# Altium PCB uz_mz_adapter.PcbDoc
Units mm, origin at the board's own origin, x right, y up, seen from the top; angles counter-clockwise.
Board outline 140 x 100 mm, 6 copper layers (Top Layer, L02_GND, L03_Sig, L04_Sig, L05_VCC, Bottom Layer), stack 1.538 mm thick; 7 components, 270 nets, 430 pads, 0 vias.
Unrouted connection lines stored in the file: 136.
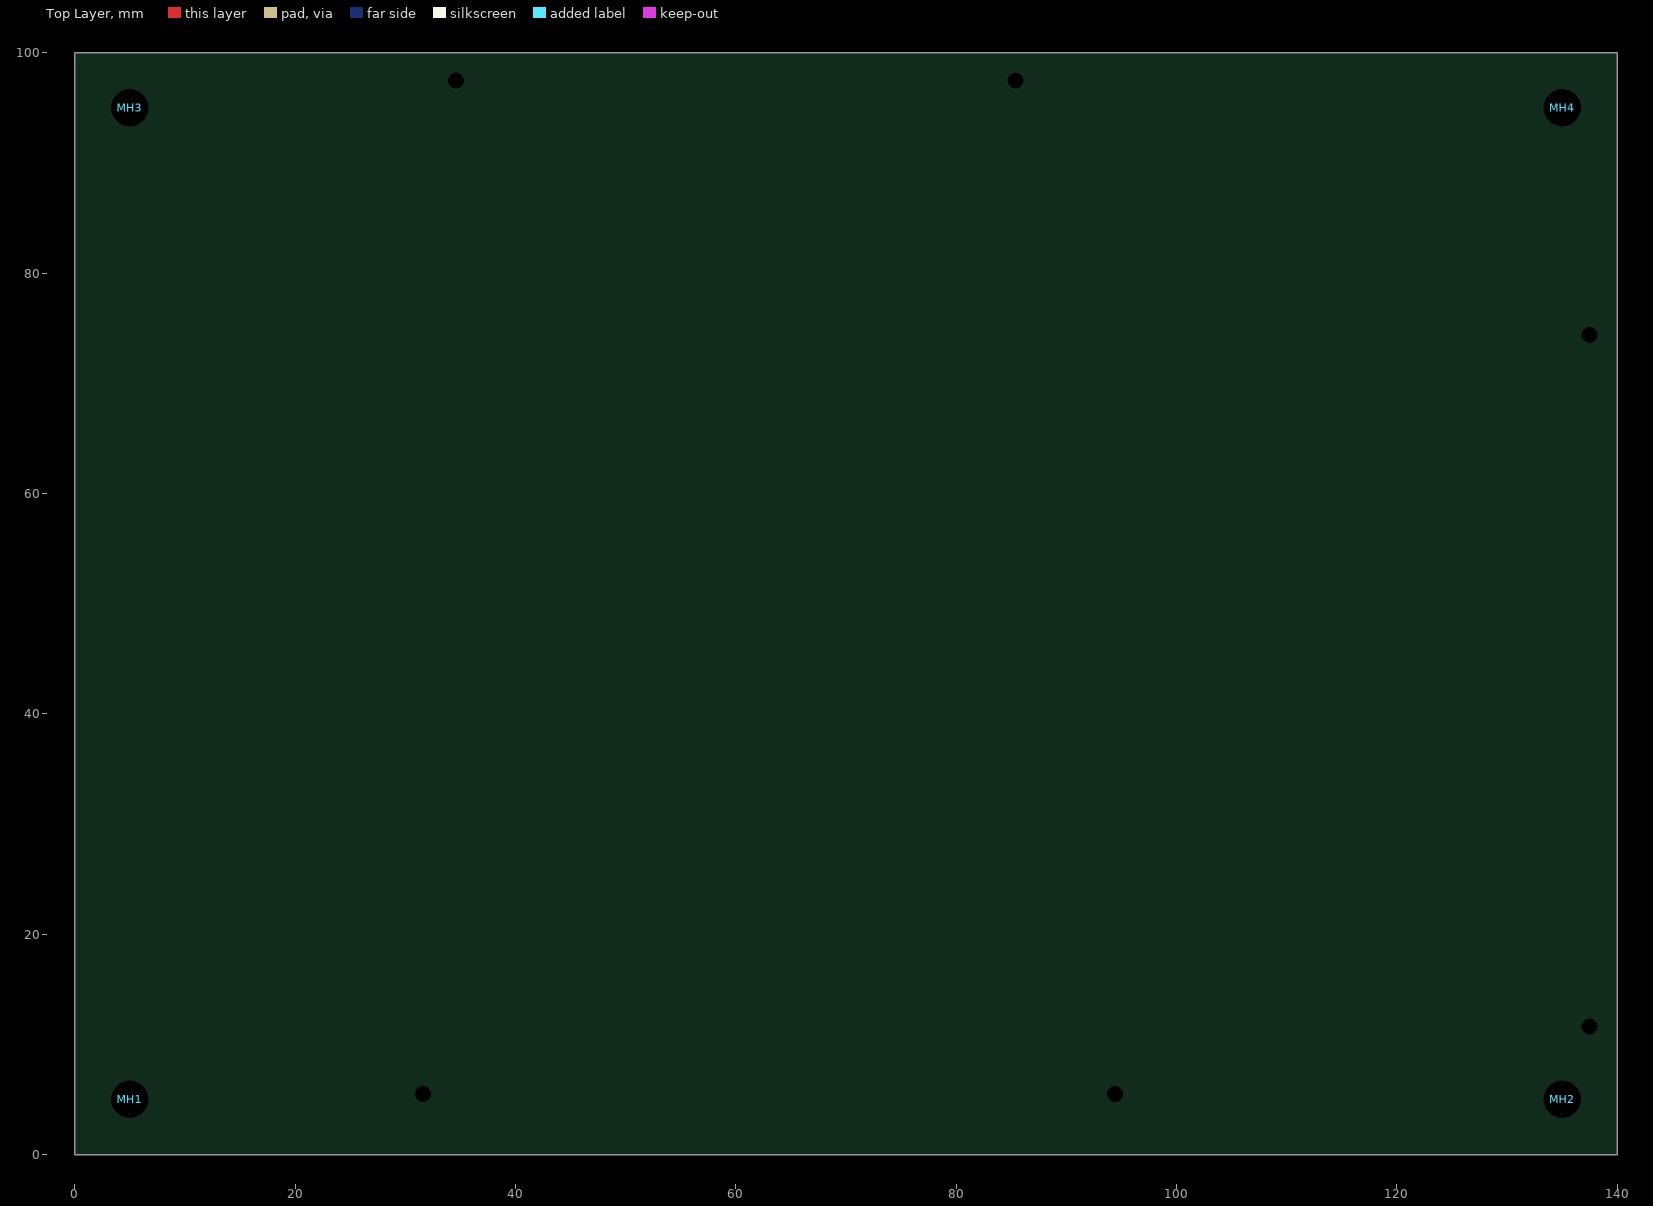
[diagram p0: Top Layer view]
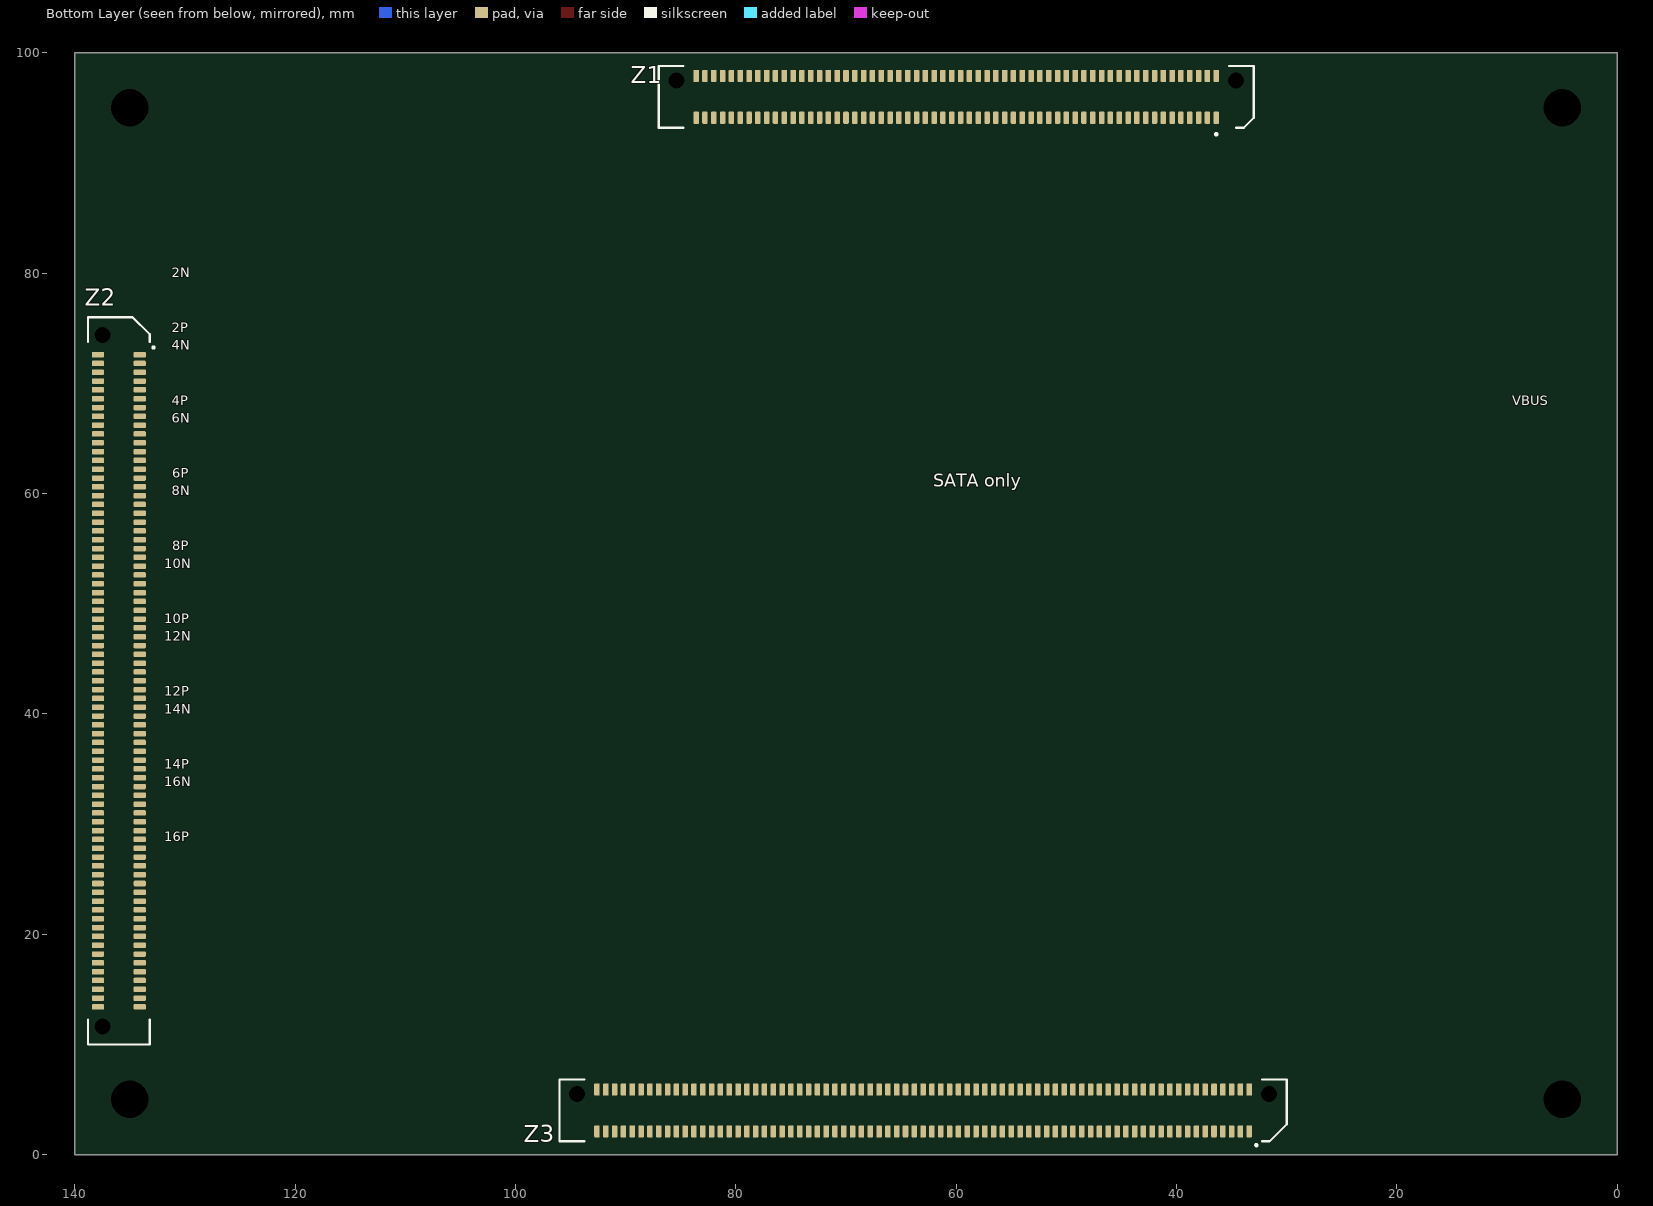
[diagram p1: Bottom Layer view, seen from below]

## Layer stack, top to bottom
Top Solder: solder mask 0.02, Solder Resist, Dk 3.8
Top Layer: signal copper 0.035
Dielectric 1: prepreg 0.0994, FR-4, Dk 4.05
L02_GND: signal copper 0.0152
Dielectric 2: core 0.55, FR-4, Dk 4.5
L03_Sig: signal copper 0.0152
Dielectric 4: prepreg 0.1088, FR-4, Dk 4.25
L04_Sig: signal copper 0.0152
Dielectric 5: core 0.55, FR-4, Dk 4.5
L05_VCC: signal copper 0.0152
Dielectric 3: prepreg 0.0994, FR-4, Dk 4.05
Bottom Layer: signal copper 0.035
Bottom Solder: solder mask 0.02, Solder Resist, Dk 3.8

## Board outline
0,0 140,0 140,100 0,100

## Design rules (kind name [scope] priority, off if disabled: settings)
BoardOutlineClearance BoardOutlineClearance_Silkscreen [OnLayer('Top Overlay')           OR  OnLayer('Bottom Overlay')] p1: gap=0 ignorepadtopadclearanceinfootprint=FALSE
BoardOutlineClearance [All] p2: gap=0.4 ignorepadtopadclearanceinfootprint=FALSE except(0: Arc-SplitContinuation Track-SplitContinuation SMDPad-SplitContinuation THPad-SplitContinuation Via-SplitContinuation Fill-SplitContinuation Poly-SplitContinuation Region-SplitContinuation Text-SplitContinuation)
Clearance Clearance_HS_PADS [All vs IsThruPin and InNetClass('HS')] p1: gap=0.1 ignorepadtopadclearanceinfootprint=FALSE except(0: Arc-Hole Track-Hole SMDPad-Hole THPad-Hole Via-Hole Fill-Hole Poly-Hole Region-Hole Text-Hole; 0.2: Poly-Poly; 0.3: Via-Poly; 0.5: Track-Poly; 0.516: THPad-Poly)
Clearance Clearance_HS_VIA [InNetClass('HS')] p2: gap=0.1 ignorepadtopadclearanceinfootprint=FALSE except(0: Arc-Hole Track-Hole SMDPad-Hole THPad-Hole Fill-Hole Poly-Hole Region-Hole Text-Hole; 0.2: THPad-Poly Poly-Poly; 0.205: Via-Hole; 0.4: Via-Poly; 0.6: Arc-Poly Track-Poly)
Clearance Clearance_Power [OnLayer('L03_Sig') or OnLayer('L05_VCC')] p3: gap=0.1 ignorepadtopadclearanceinfootprint=FALSE except(0: Arc-Hole Track-Hole SMDPad-Hole THPad-Hole Via-Hole Fill-Hole Region-Hole Text-Hole; 0.15: Via-Poly; 0.25: THPad-Poly; 0.3: Fill-Poly Poly-Poly; 0.5: Track-Poly)
Clearance Clearance_D100_VIA [InNetClass('D100')] p4: gap=0.1 ignorepadtopadclearanceinfootprint=FALSE except(0: Arc-Hole Track-Hole SMDPad-Hole THPad-Hole Fill-Hole Poly-Hole Region-Hole Text-Hole; 0.2: Track-Poly SMDPad-Poly THPad-Poly Fill-Poly Poly-Poly Poly-Region; 0.204: Via-Hole)
Clearance [All] p5: gap=0.1 ignorepadtopadclearanceinfootprint=FALSE except(0: Arc-Hole Track-Hole SMDPad-Hole THPad-Hole Via-Hole Fill-Hole Region-Hole Text-Hole; 0.2: Track-Poly SMDPad-Poly THPad-Poly Fill-Poly Poly-Poly Poly-Region)
ComponentClearance ComponentClearance_SSD [HasFootprint('2199230-3') OR HasFootprint('M.2-NGFF-Socket-2242BM')] p1: gap=-0.1 collisioncheckmode=3 verticalgap=-0.1 showdistances=FALSE
ComponentClearance ComponentClearance_Trenz_TOP [InComponentClass('Top Side Components') and not HasFootprint('TP_1mm') vs InComponentClass('Top Side Components') and not HasFootprint('TP_1mm')] p2: gap=0.3 collisioncheckmode=3 verticalgap=-0.1 showdistances=FALSE
ComponentClearance ComponentClearance_Trenz_BOTTOM [InComponentClass('Bottom Side Components') and not HasFootprint('TP_1mm') vs InComponentClass('Bottom Side Components') and not HasFootprint('TP_1mm')] p3: gap=0.3 collisioncheckmode=3 verticalgap=0 showdistances=FALSE
ComponentClearance ComponentClearance_Trenz [All] p4 off: gap=0.3 collisioncheckmode=3 verticalgap=-0.1 showdistances=FALSE
ComponentClearance [All] p5 off: gap=0.1 collisioncheckmode=3 verticalgap=0.1 showdistances=FALSE
DiffPairsRouting DiffPairsRouting_d100 [InNetClass('D100')] p1: maxlimit=0.254 minlimit=0.1 mostfreqgap=0.1 toplayer_minwidth=0.09 toplayer_maxwidth=0.09 toplayer_prefwidth=0.09 midlayer2_minwidth=0.1 midlayer2_maxwidth=0.1 midlayer2_prefwidth=0.1 midlayer3_minwidth=0.1 midlayer3_maxwidth=0.1 midlayer3_prefwidth=0.1 bottomlayer_minwidth=0.09 bottomlayer_maxwidth=0.09 bottomlayer_prefwidth=0.09 impedanceprofiledriven=TRUE impedanceprofileid={550932EC-13A7-4AC9-8D96-622C40202F43} impedanceprofilevalue=100.000000 maxuncoupledlength=12.7
DiffPairsRouting [All] p2: maxlimit=0.254 minlimit=0.1 mostfreqgap=0.1 toplayer_minwidth=0.09 toplayer_maxwidth=0.254 toplayer_prefwidth=0.09 midlayer1_minwidth=0.09 midlayer1_maxwidth=0.254 midlayer1_prefwidth=0.1 midlayer2_minwidth=0.1 midlayer2_maxwidth=0.254 midlayer2_prefwidth=0.1 midlayer3_minwidth=0.1 midlayer3_maxwidth=0.254 midlayer3_prefwidth=0.1 midlayer4_minwidth=0.09 midlayer4_maxwidth=0.254 midlayer4_prefwidth=0.1 bottomlayer_minwidth=0.09 bottomlayer_maxwidth=0.254 bottomlayer_prefwidth=0.09 maxuncoupledlength=20
Height [All] p1: minheight=0 maxheight=50 prefheight=12.7
HoleSize [All] p1: absolutevalues=TRUE maxlimit=6.3 minlimit=0.15 maxpercent=80.000 minpercent=20.000
MatchedLengths [InNetClass('SATA') or InNetClass('HS')] p1: tolerance=0.1 checknetsindiffpair=TRUE checkdiffpairvsdiffpair=FALSE checkxsignals=FALSE checkothers=FALSE
MinimumSolderMaskSliver [All] p1: minsoldermaskwidth=0.1
PolygonConnect "PWR Mosfets" [(InNetClass('PWR') AND HasFootprint('SOIC127P600X175-8N'))] p1: connectstyle=Relief reliefconductorwidth=0.254 reliefentries=4 polygonreliefangle="90 Angle" airgapwidth=0.125
PolygonConnect PWR [InNetClass('PWR')] p2: connectstyle=Direct reliefconductorwidth=0.2 reliefentries=4 polygonreliefangle="90 Angle" airgapwidth=0.25
PolygonConnect PolygonConnect_Therm [HoleSize > 2.6] p3: connectstyle=Direct reliefconductorwidth=0.254 reliefentries=4 polygonreliefangle="90 Angle" airgapwidth=0.254
PolygonConnect PolygonConnect_via [InPadClass('pad') or IsVia] p4: connectstyle=Direct reliefconductorwidth=0.254 reliefentries=4 polygonreliefangle="90 Angle" airgapwidth=0.254
PolygonConnect PolygonConnect_GND [InNet('GND')] p5: thpad.connectstyle=Relief thpad.reliefconductorwidth=0.254 thpad.reliefentries=4 thpad.polygonreliefangle="90 Angle" thpad.airgapwidth=0.254 smdpad.connectstyle=Relief smdpad.reliefconductorwidth=0.254 smdpad.reliefentries=4 smdpad.polygonreliefangle="90 Angle" smdpad.airgapwidth=0.102 via.connectstyle=Direct via.reliefconductorwidth=0.254 via.reliefentries=4 via.polygonreliefangle="90 Angle" via.airgapwidth=0.254
PolygonConnect PolygonConnect_default [All] p6: thpad.connectstyle=Relief thpad.reliefconductorwidth=0.254 thpad.reliefentries=4 thpad.polygonreliefangle="90 Angle" thpad.airgapwidth=0.254 smdpad.connectstyle=Relief smdpad.reliefconductorwidth=0.254 smdpad.reliefentries=4 smdpad.polygonreliefangle="90 Angle" smdpad.airgapwidth=0.102 via.connectstyle=Direct via.reliefconductorwidth=0.254 via.reliefentries=4 via.polygonreliefangle="90 Angle" via.airgapwidth=0.254
ReturnPath ReturnPath_Diff [InNetClass('ADC_OUT_P[1..10]') OR InNetClass('ADC_OUT_N[1..10]') or InNetClass('CLK_Ext_P[1..2]') or InNetClass('CLK_Ext_N[1..2]') or InNetClass('CLK_P[1..10]') OR InNetClass('CLK_N[1..10]') or InNetClass('ExtADC_DataOut_P[1..5]') or InNetClass('ExtADC_DataOut_N[1..5]')] p1 off: impedanceprofileid={A4AA20AD-5FED-4174-92F6-DFDFDA660EC9} _gaplimit=0 _useantipads=TRUE
RoutingVias [All] p1: holewidth=0.15 width=0.25 viastyle="Through Hole" minholewidth=0.15 minwidth=0.25 maxholewidth=0.5 maxwidth=1
SolderMaskExpansion [All] p1 off: expansion=0.102 istentingtop=FALSE
SolderMaskExpansion SolderMaskExpansion_Trenz [All] p2: expansion=0 istentingtop=FALSE
SupplyNets "Schematic Supply Nets_34" [InNet('S3V3_Protected')] p1: voltage=0.000
SupplyNets "Schematic Supply Nets_28" [InNet('3V3_PER_Protected')] p2: voltage=0.000
SupplyNets "Schematic Supply Nets_26" [InNet('V_ResExt')] p3: voltage=0.000
SupplyNets "Schematic Supply Nets_24" [InNet('AGND')] p4: voltage=0.000
SupplyNets "Schematic Supply Nets_11" [InNet('GND')] p5: voltage=0.000
SupplyNets "Schematic Supply Nets_7" [InNet('RSVIN_12V')] p6: voltage=0.000
SupplyNets "Schematic Supply Nets_5" [InNet('VIN_12V')] p7: voltage=0.000
SupplyNets "Schematic Supply Nets_4" [InNet('1V8_PER_Protected')] p8: voltage=0.000
UnRoutedNet [All] p1: checkbadconnections=TRUE
ViasUnderSMD [All] p1: allowed=FALSE
Width width_s75 [InNetClass('S75')] p1: maxlimit=0.254 minlimit=0.1 preferedwidth=0.1 toplayer_maxwidth=0.1 midlayer1_maxwidth=0.1 midlayer2_maxwidth=0.1 bottomlayer_maxwidth=0.1 minimp=50.000000 maximp=50.000000 favimp=50.000000
Width [All] p2: maxlimit=10 minlimit=0.09 preferedwidth=0.1 toplayer_prefwidth=0.15 bottomlayer_prefwidth=0.15 minimp=50.000000 maximp=50.000000 favimp=50.000000
24 further rules are at their usual default settings.

## Classes and differential pairs
net class LS_AIN_CH[0..15]: LS_AIN_CH0 LS_AIN_CH1 LS_AIN_CH2 LS_AIN_CH3 LS_AIN_CH4 LS_AIN_CH5 LS_AIN_CH6 LS_AIN_CH7 LS_AIN_CH8 LS_AIN_CH9 LS_AIN_CH10 LS_AIN_CH11 LS_AIN_CH12 LS_AIN_CH13 LS_AIN_CH14 LS_AIN_CH15
net class I2C_PE_IO_[0..9]: I2C_PE_IO_0 I2C_PE_IO_1 I2C_PE_IO_2 I2C_PE_IO_3 I2C_PE_IO_4 I2C_PE_IO_5 I2C_PE_IO_6 I2C_PE_IO_7 I2C_PE_IO_8 I2C_PE_IO_9
net class EXT_DIO_[0..47]: EXT_DIO_0 EXT_DIO_1 EXT_DIO_2 EXT_DIO_3 EXT_DIO_4 EXT_DIO_5 EXT_DIO_6 EXT_DIO_7 EXT_DIO_8 EXT_DIO_9 EXT_DIO_10 EXT_DIO_11 EXT_DIO_12 EXT_DIO_13 EXT_DIO_14 EXT_DIO_15 EXT_DIO_16 EXT_DIO_17 EXT_DIO_18 EXT_DIO_19 EXT_DIO_20 EXT_DIO_21 EXT_DIO_22 EXT_DIO_23 EXT_DIO_24 EXT_DIO_25 EXT_DIO_26 EXT_DIO_27 EXT_DIO_28 EXT_DIO_29 EXT_DIO_30 EXT_DIO_31 EXT_DIO_32 EXT_DIO_33 EXT_DIO_34 EXT_DIO_35 EXT_DIO_36 EXT_DIO_37 EXT_DIO_38 EXT_DIO_39 EXT_DIO_40 EXT_DIO_41 EXT_DIO_42 EXT_DIO_43 EXT_DIO_44 EXT_DIO_45 EXT_DIO_46 EXT_DIO_47
net class D100: A3_03_N A3_03_P A3_04_N A3_04_P A3_05_N A3_05_P A3_06_N A3_06_P A3_07_N A3_07_P
net class AI_P[1..16]: AI_P1 AI_P2 AI_P3 AI_P4 AI_P5 AI_P6 AI_P7 AI_P8 AI_P9 AI_P10 AI_P11 AI_P12 AI_P13 AI_P14 AI_P15 AI_P16
net class AI_N[1..16]: AI_N1 AI_N2 AI_N3 AI_N4 AI_N5 AI_N6 AI_N7 AI_N8 AI_N9 AI_N10 AI_N11 AI_N12 AI_N13 AI_N14 AI_N15 AI_N16
differential pair A3_07: +A3_07_P -A3_07_N
differential pair A3_06: +A3_06_P -A3_06_N
differential pair A3_05: +A3_05_P -A3_05_N
differential pair A3_04: +A3_04_P -A3_04_N
differential pair A3_03: +A3_03_P -A3_03_N

## Components (designator, comment, footprint, x,y, rotation, side; value= is the part's Value field where it differs from the comment)
MH1 "Mounting Hole M3" MH_3.4 5,5 r90 top value="Mounting Hole"
MH2 "Mounting Hole M3" MH_3.4 135,5 r90 top locked value="Mounting Hole"
MH3 "Mounting Hole M3" MH_3.4 5,95 r90 top locked value="Mounting Hole"
MH4 "Mounting Hole M3" MH_3.4 135,95 r90 top locked value="Mounting Hole"
Z1 "ERM8-060-02.0-L-DV-TR" ERM8-060-02.0-L-DV 60,96 r0 bottom locked
Z2 "ERM8-075-02.0-L-DV-TR" ERM8-075-02.0-L-DV 136,43 r270 bottom
Z3 "ERM8-075-02.0-L-DV-TR" ERM8-075-02.0-L-DV 63,4 r0 bottom

## Footprints (in the part's own frame and the unit in brackets; to place one, negate y for a bottom-side part, rotate by r counter-clockwise, add the part's x,y. Pads: shape width x height; smd on the part's side, far side on the other; paste and mask are expansions set on the pad)
ERM8-060-02.0-L-DV [mm]
  rrect33% 0.5x1.1 smd: 1(-23.6,1.9) 2(-23.6,-1.9) 3(-22.8,1.9) 4(-22.8,-1.9) 5(-22,1.9) 6(-22,-1.9) 7(-21.2,1.9) 8(-21.2,-1.9) 9(-20.4,1.9) 10(-20.4,-1.9) 11(-19.6,1.9) 12(-19.6,-1.9) 13(-18.8,1.9) 14(-18.8,-1.9) 15(-18,1.9) 16(-18,-1.9) 17(-17.2,1.9) 18(-17.2,-1.9) 19(-16.4,1.9) 20(-16.4,-1.9) 21(-15.6,1.9) 22(-15.6,-1.9) 23(-14.8,1.9) 24(-14.8,-1.9) 25(-14,1.9) 26(-14,-1.9) 27(-13.2,1.9) 28(-13.2,-1.9) 29(-12.4,1.9) 30(-12.4,-1.9) 31(-11.6,1.9) 32(-11.6,-1.9) 33(-10.8,1.9) 34(-10.8,-1.9) 35(-10,1.9) 36(-10,-1.9) 37(-9.2,1.9) 38(-9.2,-1.9) 39(-8.4,1.9) 40(-8.4,-1.9) 41(-7.6,1.9) 42(-7.6,-1.9) 43(-6.8,1.9) 44(-6.8,-1.9) 45(-6,1.9) 46(-6,-1.9) 47(-5.2,1.9) 48(-5.2,-1.9) 49(-4.4,1.9) 50(-4.4,-1.9) 51(-3.6,1.9) 52(-3.6,-1.9) 53(-2.8,1.9) 54(-2.8,-1.9) 55(-2,1.9) 56(-2,-1.9) 57(-1.2,1.9) 58(-1.2,-1.9) 59(-0.4,1.9) 60(-0.4,-1.9) 61(0.4,1.9) 62(0.4,-1.9) 63(1.2,1.9) 64(1.2,-1.9) 65(2,1.9) 66(2,-1.9) 67(2.8,1.9) 68(2.8,-1.9) 69(3.6,1.9) 70(3.6,-1.9) 71(4.4,1.9) 72(4.4,-1.9) 73(5.2,1.9) 74(5.2,-1.9) 75(6,1.9) 76(6,-1.9) 77(6.8,1.9) 78(6.8,-1.9) 79(7.6,1.9) 80(7.6,-1.9) 81(8.4,1.9) 82(8.4,-1.9) 83(9.2,1.9) 84(9.2,-1.9) 85(10,1.9) 86(10,-1.9) 87(10.8,1.9) 88(10.8,-1.9) 89(11.6,1.9) 90(11.6,-1.9) 91(12.4,1.9) 92(12.4,-1.9) 93(13.2,1.9) 94(13.2,-1.9) 95(14,1.9) 96(14,-1.9) 97(14.8,1.9) 98(14.8,-1.9) 99(15.6,1.9) 100(15.6,-1.9) 101(16.4,1.9) 102(16.4,-1.9) 103(17.2,1.9) 104(17.2,-1.9) 105(18,1.9) 106(18,-1.9) 107(18.8,1.9) 108(18.8,-1.9) 109(19.6,1.9) 110(19.6,-1.9) 111(20.4,1.9) 112(20.4,-1.9) 113(21.2,1.9) 114(21.2,-1.9) 115(22,1.9) 116(22,-1.9) 117(22.8,1.9) 118(22.8,-1.9) 119(23.6,1.9) 120(23.6,-1.9)
  round 0 hole 1.45 unplated: H1(-25.4,-1.5) H2(25.4,-1.5)
  silkscreen extent -27,-2.8 27,3.5, body extent -27,-2.8 27,2.8, height 5.96
ERM8-075-02.0-L-DV [mm]
  rrect33% 0.5x1.1 smd: 1(-29.6,1.9) 2(-29.6,-1.9) 3(-28.8,1.9) 4(-28.8,-1.9) 5(-28,1.9) 6(-28,-1.9) 7(-27.2,1.9) 8(-27.2,-1.9) 9(-26.4,1.9) 10(-26.4,-1.9) 11(-25.6,1.9) 12(-25.6,-1.9) 13(-24.8,1.9) 14(-24.8,-1.9) 15(-24,1.9) 16(-24,-1.9) 17(-23.2,1.9) 18(-23.2,-1.9) 19(-22.4,1.9) 20(-22.4,-1.9) 21(-21.6,1.9) 22(-21.6,-1.9) 23(-20.8,1.9) 24(-20.8,-1.9) 25(-20,1.9) 26(-20,-1.9) 27(-19.2,1.9) 28(-19.2,-1.9) 29(-18.4,1.9) 30(-18.4,-1.9) 31(-17.6,1.9) 32(-17.6,-1.9) 33(-16.8,1.9) 34(-16.8,-1.9) 35(-16,1.9) 36(-16,-1.9) 37(-15.2,1.9) 38(-15.2,-1.9) 39(-14.4,1.9) 40(-14.4,-1.9) 41(-13.6,1.9) 42(-13.6,-1.9) 43(-12.8,1.9) 44(-12.8,-1.9) 45(-12,1.9) 46(-12,-1.9) 47(-11.2,1.9) 48(-11.2,-1.9) 49(-10.4,1.9) 50(-10.4,-1.9) 51(-9.6,1.9) 52(-9.6,-1.9) 53(-8.8,1.9) 54(-8.8,-1.9) 55(-8,1.9) 56(-8,-1.9) 57(-7.2,1.9) 58(-7.2,-1.9) 59(-6.4,1.9) 60(-6.4,-1.9) 61(-5.6,1.9) 62(-5.6,-1.9) 63(-4.8,1.9) 64(-4.8,-1.9) 65(-4,1.9) 66(-4,-1.9) 67(-3.2,1.9) 68(-3.2,-1.9) 69(-2.4,1.9) 70(-2.4,-1.9) 71(-1.6,1.9) 72(-1.6,-1.9) 73(-0.8,1.9) 74(-0.8,-1.9) 75(0,1.9) 76(0,-1.9) 77(0.8,1.9) 78(0.8,-1.9) 79(1.6,1.9) 80(1.6,-1.9) 81(2.4,1.9) 82(2.4,-1.9) 83(3.2,1.9) 84(3.2,-1.9) 85(4,1.9) 86(4,-1.9) 87(4.8,1.9) 88(4.8,-1.9) 89(5.6,1.9) 90(5.6,-1.9) 91(6.4,1.9) 92(6.4,-1.9) 93(7.2,1.9) 94(7.2,-1.9) 95(8,1.9) 96(8,-1.9) 97(8.8,1.9) 98(8.8,-1.9) 99(9.6,1.9) 100(9.6,-1.9) 101(10.4,1.9) 102(10.4,-1.9) 103(11.2,1.9) 104(11.2,-1.9) 105(12,1.9) 106(12,-1.9) 107(12.8,1.9) 108(12.8,-1.9) 109(13.6,1.9) 110(13.6,-1.9) 111(14.4,1.9) 112(14.4,-1.9) 113(15.2,1.9) 114(15.2,-1.9) 115(16,1.9) 116(16,-1.9) 117(16.8,1.9) 118(16.8,-1.9) 119(17.6,1.9) 120(17.6,-1.9) 121(18.4,1.9) 122(18.4,-1.9) 123(19.2,1.9) 124(19.2,-1.9) 125(20,1.9) 126(20,-1.9) 127(20.8,1.9) 128(20.8,-1.9) 129(21.6,1.9) 130(21.6,-1.9) 131(22.4,1.9) 132(22.4,-1.9) 133(23.2,1.9) 134(23.2,-1.9) 135(24,1.9) 136(24,-1.9) 137(24.8,1.9) 138(24.8,-1.9) 139(25.6,1.9) 140(25.6,-1.9) 141(26.4,1.9) 142(26.4,-1.9) 143(27.2,1.9) 144(27.2,-1.9) 145(28,1.9) 146(28,-1.9) 147(28.8,1.9) 148(28.8,-1.9) 149(29.6,1.9) 150(29.6,-1.9)
  round 0 hole 1.45 unplated: H1(-31.4,-1.5) H2(31.4,-1.5)
  silkscreen extent -33,-2.8 33,3.25, body extent -33,-2.8 33,2.8, height 5.96
MH_3.4 [mm]
  round 3.1 hole 3.4 unplated: 1(0,0)

## Part data
MH1 MH2 MH3 MH4: library part "Mounting Hole", "Mounting Hole", Device Package=-, Component Type="Mounting Hole", ComponentLink1Description=Datasheet, Created from=MHlatky, Created On="26.01.2021 09:19:51", Last Updated="21.03.2022 23:05:12", Live Cycle Status=1, Manufacturer="Mounting Hole", Manufacturer Part Number="Mounting Hole M3", PartID=16, Stock number="not stored", Supplier 1="Mounting Hole", Supplier Part Number 1="Mounting Hole", Type="Mounting Hole"
Z1: "0.80 mm Edge Rate Rugged High Speed", LCSC Part Number=C3649339, Manufacturer=SAMTEC, Operating Temperature="-55 °C to +125 °C", ComponentLink1Description=Datasheet, ComponentLink1URL=https://suddendocs.samtec.com/catalog_english/erm8.pdf, Created from=AGeiger, Created On="15.08.2025 09:35:44", Last Updated="23.09.2025 10:14:21", Manufacturer Part Number=ERM8-060-02.0-L-DV-TR, Mounting Type=SMD, PartID=61, Series=ERM8, Supplier 1=LCSC, Supplier Part Number 1=C3649339
Z2 Z3: "0.80 mm Edge Rate Rugged High Speed", LCSC Part Number=C6845629, Manufacturer=SAMTEC, Operating Temperature="-55 °C to +125 °C", ComponentLink1Description=Datasheet, ComponentLink1URL=https://suddendocs.samtec.com/catalog_english/erm8.pdf, Created from=AGeiger, Created On="15.08.2025 09:35:44", Last Updated="23.09.2025 10:14:21", Manufacturer Part Number=ERM8-075-02.0-L-DV-TR, Mounting Type=SMD, PartID=62, Series=ERM8, Supplier 1=LCSC, Supplier Part Number 1=C6845629

## Nets (pads, with @x,y where several pads share a name; then routed paths per layer and width w, separated by ;. In a path a pad name is that pad's centre, name@x,y a point inside that pad or via, vN(x,y) a via of type N, cw(c..) or ccw(c..) an arc to the next point about the centre after c; other vN are vias at no path point)
1V8_PER_Protected: Z1.15 Z1.16
3V3_PER_Protected: Z1.19 Z1.20
A3_02_N: Z3.146
A3_03_N: Z3.135
A3_03_P: Z3.133
A3_04_N: Z3.136
A3_04_P: Z3.134
A3_05_N: Z3.141
A3_05_P: Z3.139
A3_06_N: Z3.142
A3_06_P: Z3.140
A3_07_N: Z3.147
A3_07_P: Z3.145
AETH_PHY_LED0: Z1.38
AETH_PHY_LED1: Z1.40
AETH_PHY_TRD_N: Z1.39
AETH_PHY_TRD_P: Z1.37
AGND: Z2.1 Z2.2 Z2.7 Z2.8 Z2.13 Z2.14 Z2.19 Z2.20 Z2.25 Z2.26
AI_N1: Z2.32
AI_N2: Z2.31
AI_N3: Z2.38
AI_N4: Z2.37
AI_N5: Z2.44
AI_N6: Z2.43
AI_N7: Z2.50
AI_N8: Z2.49
AI_N9: Z2.56
AI_N10: Z2.55
AI_N11: Z2.62
AI_N12: Z2.61
AI_N13: Z2.68
AI_N14: Z2.67
AI_N15: Z2.74
AI_N16: Z2.73
AI_P1: Z2.30
AI_P2: Z2.29
AI_P3: Z2.36
AI_P4: Z2.35
AI_P5: Z2.42
AI_P6: Z2.41
AI_P7: Z2.48
AI_P8: Z2.47
AI_P9: Z2.54
AI_P10: Z2.53
AI_P11: Z2.60
AI_P12: Z2.59
AI_P13: Z2.66
AI_P14: Z2.65
AI_P15: Z2.72
AI_P16: Z2.71
B505_CLKa_N: Z1.62
B505_CLKa_P: Z1.64
CLK0_N: Z1.61
CLK0_P: Z1.63
D2_20: Z2.77
D2_21: Z2.78
D2_22: Z2.79
D2_23: Z2.80
D2_24: Z2.81
D2_25: Z2.82
D2_26: Z2.83
D2_27: Z2.84
D2_28: Z2.85
D2_29: Z2.86
D3_00_N: Z3.89
D3_00_P: Z3.87
D3_01_N: Z3.90
D3_01_P: Z3.88
D3_02_N: Z3.95
D3_02_P: Z3.93
D3_03_N: Z3.96
D3_03_P: Z3.94
D3_04_N: Z3.101
D3_04_P: Z3.99
D3_05_N: Z3.102
D3_05_P: Z3.100
D3_06_N: Z3.107
D3_06_P: Z3.105
D3_07_N: Z3.108
D3_07_P: Z3.106
D3_08_N: Z3.113
D3_08_P: Z3.111
D3_09_N: Z3.114
D3_09_P: Z3.112
D3_10_N: Z3.119
D3_10_P: Z3.117
D3_11_N: Z3.120
D3_11_P: Z3.118
D3_12_N: Z3.125
D3_12_P: Z3.123
D3_13_N: Z3.126
D3_13_P: Z3.124
D3_14_N: Z3.130
D3_14_P: Z3.129
EXT_DIO_0: Z3.15
EXT_DIO_1: Z3.17
EXT_DIO_2: Z3.16
EXT_DIO_3: Z3.18
EXT_DIO_4: Z3.21
EXT_DIO_5: Z3.23
EXT_DIO_6: Z3.22
EXT_DIO_7: Z3.24
EXT_DIO_8: Z3.27
EXT_DIO_9: Z3.29
EXT_DIO_10: Z3.28
EXT_DIO_11: Z3.30
EXT_DIO_12: Z3.33
EXT_DIO_13: Z3.35
EXT_DIO_14: Z3.34
EXT_DIO_15: Z3.36
EXT_DIO_16: Z3.39
EXT_DIO_17: Z3.41
EXT_DIO_18: Z3.40
EXT_DIO_19: Z3.42
EXT_DIO_20: Z3.45
EXT_DIO_21: Z3.47
EXT_DIO_22: Z3.46
EXT_DIO_23: Z3.48
EXT_DIO_24: Z3.51
EXT_DIO_25: Z3.53
EXT_DIO_26: Z3.52
EXT_DIO_27: Z3.54
EXT_DIO_28: Z3.57
EXT_DIO_29: Z3.59
EXT_DIO_30: Z3.58
EXT_DIO_31: Z3.60
EXT_DIO_32: Z3.63
EXT_DIO_33: Z3.65
EXT_DIO_34: Z3.64
EXT_DIO_35: Z3.66
EXT_DIO_36: Z3.69
EXT_DIO_37: Z3.71
EXT_DIO_38: Z3.70
EXT_DIO_39: Z3.72
EXT_DIO_40: Z3.75
EXT_DIO_41: Z3.77
EXT_DIO_42: Z3.76
EXT_DIO_43: Z3.78
EXT_DIO_44: Z3.81
EXT_DIO_45: Z3.83
EXT_DIO_46: Z3.82
EXT_DIO_47: Z3.84
GND: Z1.1 Z1.2 Z1.7 Z1.8 Z1.11 Z1.12 Z1.13 Z1.14 Z1.17 Z1.18 Z1.21 Z1.22 Z1.25 Z1.26 Z1.35 Z1.36 Z1.41 Z1.42 Z1.49 Z1.50 Z1.59 Z1.60 Z1.65 Z1.66 Z1.71 Z1.72 Z1.77 Z1.78 Z1.83 Z1.84 Z1.85 Z1.93 Z1.94 Z1.103 Z1.104 Z1.113 Z1.119 Z1.120 Z2.27 Z2.28 Z2.33 Z2.34 Z2.39 Z2.40 Z2.45 Z2.46 Z2.51 Z2.52 Z2.57 Z2.58 Z2.63 Z2.64 Z2.69 Z2.70 Z2.75 Z2.76 Z2.87 Z2.88 Z2.97 Z2.98 Z2.107 Z2.108 Z2.117 Z2.118 Z2.127 Z2.128 Z2.137 Z2.138 Z2.149 Z2.150 Z3.1 Z3.2 Z3.13 Z3.14 Z3.19 Z3.20 Z3.25 Z3.26 Z3.31 Z3.32 Z3.37 Z3.38 Z3.43 Z3.44 Z3.49 Z3.50 Z3.55 Z3.56 Z3.61 Z3.62 Z3.67 Z3.68 Z3.73 Z3.74 Z3.79 Z3.80 Z3.85 Z3.86 Z3.91 Z3.92 Z3.97 Z3.98 Z3.103 Z3.104 Z3.109 Z3.110 Z3.115 Z3.116 Z3.121 Z3.122 Z3.127 Z3.128 Z3.131 Z3.132 Z3.137 Z3.138 Z3.143 Z3.144 Z3.148 Z3.149 Z3.150
GT0_RX_N: Z1.80
GT0_RX_P: Z1.82
GT0_TX_N: Z1.79
GT0_TX_P: Z1.81
GT1_RX_N: Z1.74
GT1_RX_P: Z1.76
GT1_TX_N: Z1.73
GT1_TX_P: Z1.75
GT3_RX_N: Z1.68
GT3_RX_P: Z1.70
GT3_TX_N: Z1.67
GT3_TX_P: Z1.69
I2C_PE_IO_0: Z3.3
I2C_PE_IO_1: Z3.4
I2C_PE_IO_2: Z3.5
I2C_PE_IO_3: Z3.6
I2C_PE_IO_4: Z3.7
I2C_PE_IO_5: Z3.8
I2C_PE_IO_6: Z3.9
I2C_PE_IO_7: Z3.10
I2C_PE_IO_8: Z3.11
I2C_PE_IO_9: Z3.12
LS_AIN_CH0: Z2.3
LS_AIN_CH1: Z2.4
LS_AIN_CH2: Z2.5
LS_AIN_CH3: Z2.6
LS_AIN_CH4: Z2.9
LS_AIN_CH5: Z2.10
LS_AIN_CH6: Z2.11
LS_AIN_CH7: Z2.12
LS_AIN_CH8: Z2.15
LS_AIN_CH9: Z2.16
LS_AIN_CH10: Z2.17
LS_AIN_CH11: Z2.18
LS_AIN_CH12: Z2.21
LS_AIN_CH13: Z2.22
LS_AIN_CH14: Z2.23
LS_AIN_CH15: Z2.24
MIO13: Z1.87
MIO14: Z1.89
MIO15: Z1.91
MIO16: Z1.86
MIO17: Z1.88
MIO20: Z1.90
MIO21: Z1.92
MIO22: Z1.95
MIO23: Z1.97
MIO26: Z1.99
MIO27: Z1.101
MIO32: Z1.96
MIO33: Z1.98
MIO76: Z1.100
MIO77: Z1.102
PESIO_00: Z2.89
PESIO_01: Z2.91
PESIO_02: Z2.93
PESIO_03: Z2.95
PESIO_04: Z2.90
PESIO_05: Z2.92
PESIO_06: Z2.94
PESIO_07: Z2.96
PESIO_08: Z2.99
PESIO_09: Z2.101
PESIO_10: Z2.103
PESIO_11: Z2.105
PESIO_12: Z2.100
PESIO_13: Z2.102
PESIO_14: Z2.104
PESIO_15: Z2.106
PESIO_16: Z2.109
PESIO_17: Z2.111
PESIO_18: Z2.113
PESIO_19: Z2.115
PESIO_20: Z2.110
PESIO_21: Z2.112
PESIO_22: Z2.114
PESIO_23: Z2.116
PESIO_24: Z2.119
PESIO_25: Z2.121
PESIO_26: Z2.123
PESIO_27: Z2.125
PESIO_28: Z2.120
PESIO_29: Z2.122
PESIO_30: Z2.124
PESIO_31: Z2.126
PESIO_32: Z2.129
PESIO_33: Z2.131
PESIO_34: Z2.133
PESIO_35: Z2.135
PESIO_36: Z2.130
PESIO_37: Z2.132
PESIO_38: Z2.134
PESIO_39: Z2.136
PESIO_40: Z2.139
PESIO_41: Z2.141
PESIO_42: Z2.143
PESIO_43: Z2.145
PESIO_44: Z2.140
PESIO_45: Z2.142
PESIO_46: Z2.144
PESIO_47: Z2.146
PESIO_48: Z2.147
PESIO_49: Z2.148
PG_1V8: Z1.27
PG_3V3: Z1.28
PG_Module: Z1.29
PG_S3V3: Z1.30
PS_CAN0_RX: Z1.56
PS_CAN0_TX: Z1.58
PS_CAN1_RX: Z1.55
PS_CAN1_TX: Z1.57
PS_I2C0_SCL: Z1.52
PS_I2C0_SDA: Z1.54
PS_SPI1_CS0: Z1.46
PS_SPI1_CS1: Z1.47
PS_SPI1_CS2: Z1.48
PS_SPI1_MISO: Z1.43
PS_SPI1_MOSI: Z1.45
PS_SPI1_SCLK: Z1.44
PS_UART1_RX: Z1.51
PS_UART1_TX: Z1.53
RESOLVER_V_EXC_N: Z1.117
RESOLVER_V_EXC_P: Z1.115
RSVIN_12V: Z1.9 Z1.10
S3V3_Protected: Z1.23 Z1.24
V_ResExt: Z1.118
VIN_12V: Z1.3 Z1.4 Z1.5 Z1.6
pads on no net: MH1.1 MH2.1 MH3.1 MH4.1 Z1.31 Z1.32 Z1.33 Z1.34 Z1.105 Z1.106 Z1.107 Z1.108 Z1.109 Z1.110 Z1.111 Z1.112 Z1.114 Z1.116 Z1.H1 Z1.H2 Z2.H1 Z2.H2 Z3.H1 Z3.H2

## Silkscreen, mask and mechanical layers (free items; w line width, h text height)
Bottom Overlay:
  text "2N" at 131.209,79.317 h1.5
  text "2P" at 131.181,74.317 h1.5
  text "4N" at 131.217,72.708 h1.5
  text "4P" at 131.189,67.708 h1.5
  text "VBUS" at 9.532,67.702 h1.5
  text "6N" at 131.185,66.108 h1.5
  text "6P" at 131.157,61.108 h1.5
  text "SATA only" at 62.1,60.178 h2
  text "8N" at 131.188,59.508 h1.5
  text "8P" at 131.16,54.508 h1.5
  text "10N" at 131.882,52.908 h1.5
  text "10P" at 131.855,47.908 h1.5
  text "12N" at 131.882,46.317 h1.5
  text "12P" at 131.855,41.317 h1.5
  text "14N" at 131.882,39.708 h1.5
  text "14P" at 131.855,34.708 h1.5
  text "16N" at 131.882,33.108 h1.5
  text "16P" at 131.855,28.108 h1.5
Top Assembly:
  text "MicroZohm" at 137.826,40.393 h8 r90
  text "Zohm Control GmbH" at 33.2,3.746 h5
  text "Intelligent Control Platforms and Algorithms" at 33.3,1.636 h2.3

## Text inside footprints (layer, text, board x,y; h text height)
Z1: Bottom Assembly (Mech20) "2" at 36,98 h0.5; Bottom Assembly (Mech20) "1" at 35.9,93.6 h0.5; Bottom Assembly (Mech20) "120" at 85.3,98 h0.5; Bottom Assembly (Mech20) "119" at 85.3,93.6 h0.5
Z2: Bottom Assembly (Mech20) "2" at 138.3,73 h0.5; Bottom Assembly (Mech20) "1" at 134,73 h0.5; Bottom Assembly (Mech20) "150" at 138,11.7 h0.5 r270; Bottom Assembly (Mech20) "149" at 133.6,11.6 h0.5 r270
Z3: Bottom Assembly (Mech20) "2" at 32.9,5.8 h0.5; Bottom Assembly (Mech20) "1" at 32.9,1.6 h0.5; Bottom Assembly (Mech20) "150" at 94.3,5.8 h0.5; Bottom Assembly (Mech20) "149" at 94.3,1.6 h0.5